# KiCad board StarboardWing.kicad_pcb (continued)
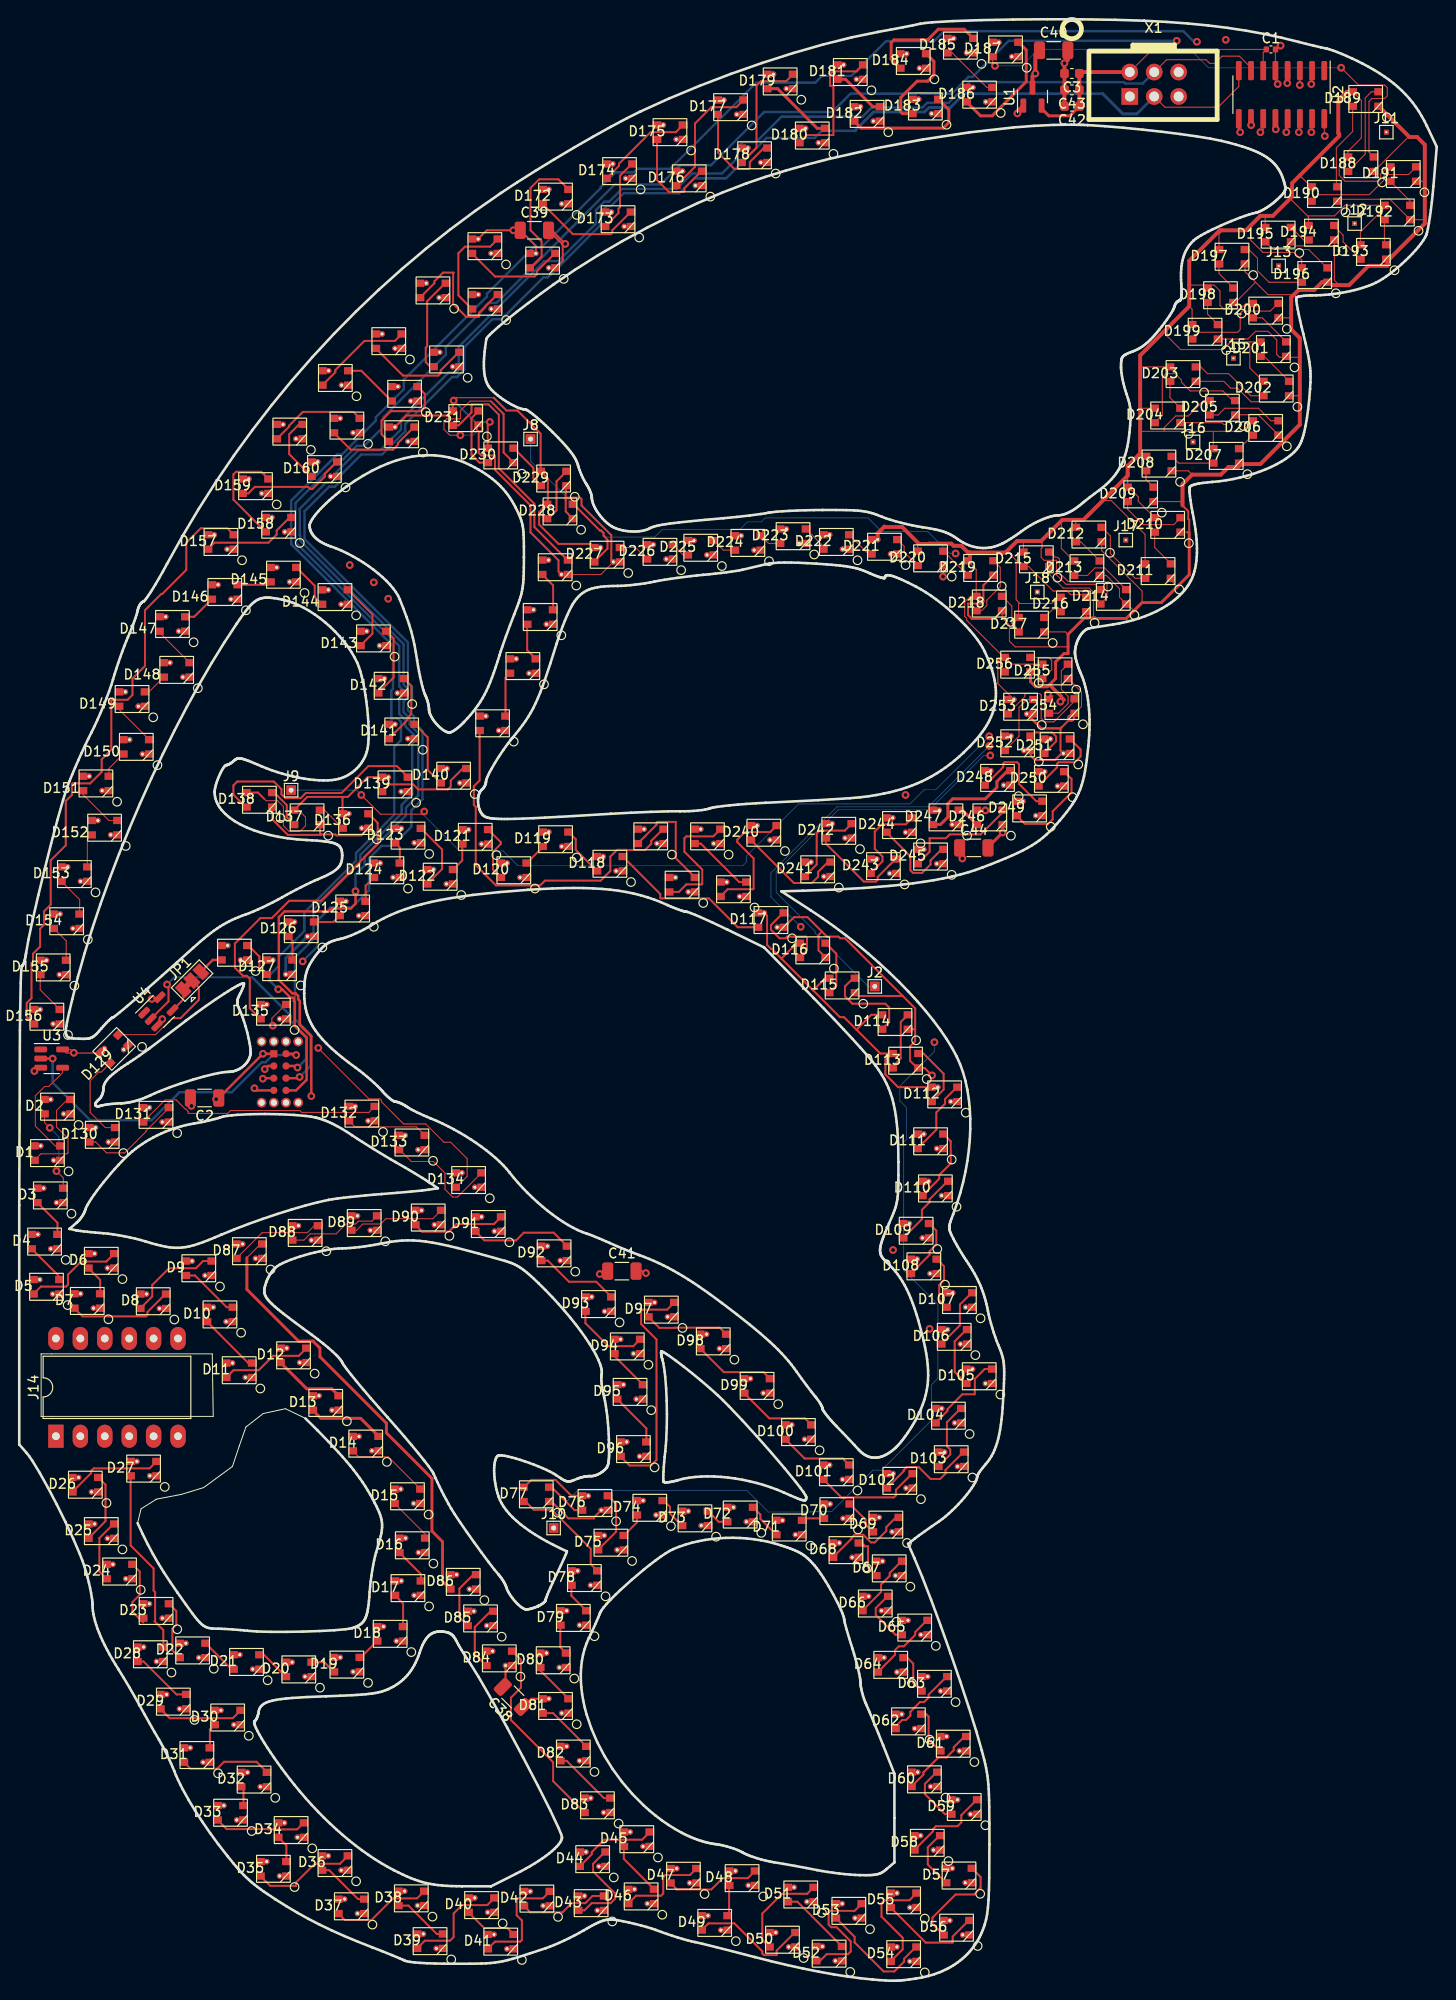
[diagram p0: board, top side]
## Nets
/3V3: C1.1 C3.1 C42.1 C43.1 U1.2 U2.6 X1.1
/5V: C2.1 C38.1 C39.1 C40.1 C41.1 C44.1 D1.3 D2.3 D3.3 D4.3 D5.3 D6.3 D7.3 D8.3 D9.3 D10.3 D11.3 D12.3 D13.3 D14.3 D15.3 D16.3 D17.3 D18.3 D19.3 D20.3 D21.3 D22.3 D23.3 D24.3 D25.3 D26.3 D27.3 D28.3 D29.3 D30.3 D31.3 D32.3 D33.3 D34.3 D35.3 D36.3 D37.3 D38.3 D39.3 D40.3 D41.3 D42.3 D43.3 D44.3 D45.3 D46.3 D47.3 D48.3 D49.3 D50.3 D51.3 D52.3 D53.3 D54.3 D55.3 D56.3 D57.3 D58.3 D59.3 D60.3 D61.3 D62.3 D63.3 D64.3 D65.3 D66.3 D67.3 D68.3 D69.3 D70.3 D71.3 D72.3 D73.3 D74.3 D75.3 D76.3 D77.3 D78.3 D79.3 D80.3 D81.3 D82.3 D83.3 D84.3 D85.3 D86.3 D87.3 D88.3 D89.3 D90.3 D91.3 D92.3 D93.3 D94.3 D95.3 D96.3 D97.3 D98.3 D99.3 D100.3 D101.3 D102.3 D103.3 D104.3 D105.3 D106.3 D107.3 D108.3 D109.3 D110.3 D111.3 D112.3 D113.3 D114.3 D115.3 D116.3 D117.3 D118.3 D119.3 D120.3 D121.3 D122.3 D123.3 D124.3 D125.3 D126.3 D127.3 D128.3 D129.3 D130.3 D131.3 D132.3 D133.3 D134.3 D135.3 D136.3 D137.3 D138.3 D139.3 D140.3 D141.3 D142.3 D143.3 D144.3 D145.3 D146.3 D147.3 D148.3 D149.3 D150.3 D151.3 D152.3 D153.3 D154.3 D155.3 D156.3 D157.3 D158.3 D159.3 D160.3 D161.3 D162.3 D163.3 D164.3 D165.3 D166.3 D167.3 D168.3 D169.3 D170.3 D171.3 D172.3 D173.3 D174.3 D175.3 D176.3 D177.3 D178.3 D179.3 D180.3 D181.3 D182.3 D183.3 D184.3 D185.3 D186.3 D187.3 D188.3 D189.3 D190.3 D191.3 D192.3 D193.3 D194.3 D195.3 D196.3 D197.3 D198.3 D199.3 D200.3 D201.3 D202.3 D203.3 D204.3 D205.3 D206.3 D207.3 D208.3 D209.3 D210.3 D211.3 D212.3 D213.3 D214.3 D215.3 D216.3 D217.3 D218.3 D219.3 D220.3 D221.3 D222.3 D223.3 D224.3 D225.3 D226.3 D227.3 D228.3 D229.3 D230.3 D231.3 D232.3 D233.3 D234.3 D235.3 D236.3 D237.3 D238.3 D239.3 D240.3 D241.3 D242.3 D243.3 D244.3 D245.3 D246.3 D247.3 D248.3 D249.3 D250.3 D251.3 D252.3 D253.3 D254.3 D255.3 D256.3 J1.1 U1.3 U3.5 U4.5
/GND: C1.2 C2.2 C3.2 C38.2 C39.2 C40.2 C41.2 C42.2 C43.2 C44.2 D1.1 D2.1 D3.1 D4.1 D5.1 D6.1 D7.1 D8.1 D9.1 D10.1 D11.1 D12.1 D13.1 D14.1 D15.1 D16.1 D17.1 D18.1 D19.1 D20.1 D21.1 D22.1 D23.1 D24.1 D25.1 D26.1 D27.1 D28.1 D29.1 D30.1 D31.1 D32.1 D33.1 D34.1 D35.1 D36.1 D37.1 D38.1 D39.1 D40.1 D41.1 D42.1 D43.1 D44.1 D45.1 D46.1 D47.1 D48.1 D49.1 D50.1 D51.1 D52.1 D53.1 D54.1 D55.1 D56.1 D57.1 D58.1 D59.1 D60.1 D61.1 D62.1 D63.1 D64.1 D65.1 D66.1 D67.1 D68.1 D69.1 D70.1 D71.1 D72.1 D73.1 D74.1 D75.1 D76.1 D77.1 D78.1 D79.1 D80.1 D81.1 D82.1 D83.1 D84.1 D85.1 D86.1 D87.1 D88.1 D89.1 D90.1 D91.1 D92.1 D93.1 D94.1 D95.1 D96.1 D97.1 D98.1 D99.1 D100.1 D101.1 D102.1 D103.1 D104.1 D105.1 D106.1 D107.1 D108.1 D109.1 D110.1 D111.1 D112.1 D113.1 D114.1 D115.1 D116.1 D117.1 D118.1 D119.1 D120.1 D121.1 D122.1 D123.1 D124.1 D125.1 D126.1 D127.1 D128.1 D129.1 D130.1 D131.1 D132.1 D133.1 D134.1 D135.1 D136.1 D137.1 D138.1 D139.1 D140.1 D141.1 D142.1 D143.1 D144.1 D145.1 D146.1 D147.1 D148.1 D149.1 D150.1 D151.1 D152.1 D153.1 D154.1 D155.1 D156.1 D157.1 D158.1 D159.1 D160.1 D161.1 D162.1 D163.1 D164.1 D165.1 D166.1 D167.1 D168.1 D169.1 D170.1 D171.1 D172.1 D173.1 D174.1 D175.1 D176.1 D177.1 D178.1 D179.1 D180.1 D181.1 D182.1 D183.1 D184.1 D185.1 D186.1 D187.1 D188.1 D189.1 D190.1 D191.1 D192.1 D193.1 D194.1 D195.1 D196.1 D197.1 D198.1 D199.1 D200.1 D201.1 D202.1 D203.1 D204.1 D205.1 D206.1 D207.1 D208.1 D209.1 D210.1 D211.1 D212.1 D213.1 D214.1 D215.1 D216.1 D217.1 D218.1 D219.1 D220.1 D221.1 D222.1 D223.1 D224.1 D225.1 D226.1 D227.1 D228.1 D229.1 D230.1 D231.1 D232.1 D233.1 D234.1 D235.1 D236.1 D237.1 D238.1 D239.1 D240.1 D241.1 D242.1 D243.1 D244.1 D245.1 D246.1 D247.1 D248.1 D249.1 D250.1 D251.1 D252.1 D253.1 D254.1 D255.1 D256.1 J1.3 U1.1 U2.5 U3.3 U4.3 X1.2
/SCL: J1.5 U2.8 X1.4
/SDA: J1.7 U2.7 X1.3
/STBD_GP0: J1.6 X1.5
/STBD_GP1: J1.8 X1.6
/STBD_LED_1: J1.2 U3.2
/STBD_LED_1_OUT: D128.4 JP1.3
/STBD_LED_2: J1.4 U4.2
Net-(D1-DIN): D1.2 U3.4
Net-(D1-DOUT): D1.4 D2.2
Net-(D2-DOUT): D2.4 D3.2
Net-(D3-DOUT): D3.4 D4.2
Net-(D4-DOUT): D4.4 D5.2
Net-(D5-DOUT): D5.4 D6.2
Net-(D6-DOUT): D6.4 D7.2
Net-(D7-DOUT): D7.4 D8.2
Net-(D8-DOUT): D8.4 D9.2
Net-(D10-DIN): D9.4 D10.2
Net-(D10-DOUT): D10.4 D11.2
Net-(D11-DOUT): D11.4 D12.2
Net-(D12-DOUT): D12.4 D13.2
Net-(D13-DOUT): D13.4 D14.2
Net-(D14-DOUT): D14.4 D15.2
Net-(D15-DOUT): D15.4 D16.2
Net-(D16-DOUT): D16.4 D17.2
Net-(D17-DOUT): D17.4 D18.2
Net-(D18-DOUT): D18.4 D19.2
Net-(D19-DOUT): D19.4 D20.2
Net-(D20-DOUT): D20.4 D21.2
Net-(D21-DOUT): D21.4 D22.2
Net-(D22-DOUT): D22.4 D23.2
Net-(D23-DOUT): D23.4 D24.2
Net-(D24-DOUT): D24.4 D25.2
Net-(D25-DOUT): D25.4 D26.2
Net-(D26-DOUT): D26.4 D27.2
Net-(D27-DOUT): D27.4 D28.2
Net-(D28-DOUT): D28.4 D29.2
Net-(D29-DOUT): D29.4 D30.2
Net-(D30-DOUT): D30.4 D31.2
Net-(D31-DOUT): D31.4 D32.2
Net-(D32-DOUT): D32.4 D33.2
Net-(D33-DOUT): D33.4 D34.2
Net-(D34-DOUT): D34.4 D35.2
Net-(D35-DOUT): D35.4 D36.2
Net-(D36-DOUT): D36.4 D37.2
Net-(D37-DOUT): D37.4 D38.2
Net-(D38-DOUT): D38.4 D39.2
Net-(D39-DOUT): D39.4 D40.2
Net-(D40-DOUT): D40.4 D41.2
Net-(D41-DOUT): D41.4 D42.2
Net-(D42-DOUT): D42.4 D43.2
Net-(D43-DOUT): D43.4 D44.2
Net-(D44-DOUT): D44.4 D45.2
Net-(D45-DOUT): D45.4 D46.2
Net-(D46-DOUT): D46.4 D47.2
Net-(D47-DOUT): D47.4 D48.2
Net-(D48-DOUT): D48.4 D49.2
Net-(D49-DOUT): D49.4 D50.2
Net-(D50-DOUT): D50.4 D51.2
Net-(D51-DOUT): D51.4 D52.2
Net-(D52-DOUT): D52.4 D53.2
Net-(D53-DOUT): D53.4 D54.2
Net-(D54-DOUT): D54.4 D55.2
Net-(D55-DOUT): D55.4 D56.2
Net-(D56-DOUT): D56.4 D57.2
Net-(D57-DOUT): D57.4 D58.2
Net-(D58-DOUT): D58.4 D59.2
Net-(D59-DOUT): D59.4 D60.2
Net-(D60-DOUT): D60.4 D61.2
Net-(D61-DOUT): D61.4 D62.2
Net-(D62-DOUT): D62.4 D63.2
Net-(D63-DOUT): D63.4 D64.2
Net-(D64-DOUT): D64.4 D65.2
Net-(D65-DOUT): D65.4 D66.2
Net-(D66-DOUT): D66.4 D67.2
Net-(D67-DOUT): D67.4 D68.2
Net-(D68-DOUT): D68.4 D69.2
Net-(D69-DOUT): D69.4 D70.2
Net-(D70-DOUT): D70.4 D71.2
Net-(D71-DOUT): D71.4 D72.2
Net-(D72-DOUT): D72.4 D73.2
Net-(D73-DOUT): D73.4 D74.2
Net-(D74-DOUT): D74.4 D75.2
Net-(D75-DOUT): D75.4 D76.2
Net-(D76-DOUT): D76.4 D77.2
Net-(D77-DOUT): D77.4 D78.2
Net-(D78-DOUT): D78.4 D79.2
Net-(D79-DOUT): D79.4 D80.2
Net-(D80-DOUT): D80.4 D81.2
Net-(D81-DOUT): D81.4 D82.2
Net-(D82-DOUT): D82.4 D83.2
Net-(D83-DOUT): D83.4 D84.2
Net-(D84-DOUT): D84.4 D85.2
Net-(D85-DOUT): D85.4 D86.2
Net-(D86-DOUT): D86.4 D87.2
Net-(D87-DOUT): D87.4 D88.2
Net-(D88-DOUT): D88.4 D89.2
Net-(D89-DOUT): D89.4 D90.2
Net-(D90-DOUT): D90.4 D91.2
Net-(D91-DOUT): D91.4 D92.2
Net-(D92-DOUT): D92.4 D93.2
Net-(D93-DOUT): D93.4 D94.2
Net-(D94-DOUT): D94.4 D95.2
Net-(D95-DOUT): D95.4 D96.2
Net-(D96-DOUT): D96.4 D97.2
Net-(D97-DOUT): D97.4 D98.2
Net-(D98-DOUT): D98.4 D99.2
Net-(D100-DIN): D99.4 D100.2
Net-(D100-DOUT): D100.4 D101.2
Net-(D101-DOUT): D101.4 D102.2
Net-(D102-DOUT): D102.4 D103.2
Net-(D103-DOUT): D103.4 D104.2
Net-(D104-DOUT): D104.4 D105.2
Net-(D105-DOUT): D105.4 D106.2
Net-(D106-DOUT): D106.4 D107.2
Net-(D107-DOUT): D107.4 D108.2
Net-(D108-DOUT): D108.4 D109.2
Net-(D109-DOUT): D109.4 D110.2
Net-(D110-DOUT): D110.4 D111.2
Net-(D111-DOUT): D111.4 D112.2
Net-(D112-DOUT): D112.4 D113.2
Net-(D113-DOUT): D113.4 D114.2
Net-(D114-DOUT): D114.4 D115.2
Net-(D115-DOUT): D115.4 D116.2
Net-(D116-DOUT): D116.4 D117.2
Net-(D117-DOUT): D117.4 D118.2
Net-(D118-DOUT): D118.4 D119.2
Net-(D119-DOUT): D119.4 D120.2
Net-(D120-DOUT): D120.4 D121.2
Net-(D121-DOUT): D121.4 D122.2
Net-(D122-DOUT): D122.4 D123.2
Net-(D123-DOUT): D123.4 D124.2
Net-(D124-DOUT): D124.4 D125.2
Net-(D125-DOUT): D125.4 D126.2
Net-(D126-DOUT): D126.4 D127.2
Net-(D127-DOUT): D127.4 D128.2
Net-(D129-DOUT): D129.4 D130.2
Net-(D130-DOUT): D130.4 D131.2
Net-(D131-DOUT): D131.4 D132.2
Net-(D132-DOUT): D132.4 D133.2
Net-(D133-DOUT): D133.4 D134.2
Net-(D134-DOUT): D134.4 D135.2
Net-(D135-DOUT): D135.4 D136.2
Net-(D136-DOUT): D136.4 D137.2
Net-(D137-DOUT): D137.4 D138.2
Net-(D138-DOUT): D138.4 D139.2
Net-(D139-DOUT): D139.4 D140.2
Net-(D140-DOUT): D140.4 D141.2
Net-(D141-DOUT): D141.4 D142.2
Net-(D142-DOUT): D142.4 D143.2
Net-(D143-DOUT): D143.4 D144.2
Net-(D144-DOUT): D144.4 D145.2
Net-(D145-DOUT): D145.4 D146.2
Net-(D146-DOUT): D146.4 D147.2
Net-(D147-DOUT): D147.4 D148.2
Net-(D148-DOUT): D148.4 D149.2
Net-(D149-DOUT): D149.4 D150.2
Net-(D150-DOUT): D150.4 D151.2
Net-(D151-DOUT): D151.4 D152.2
Net-(D152-DOUT): D152.4 D153.2
Net-(D153-DOUT): D153.4 D154.2
Net-(D154-DOUT): D154.4 D155.2
Net-(D155-DOUT): D155.4 D156.2
Net-(D156-DOUT): D156.4 D157.2
Net-(D157-DOUT): D157.4 D158.2
Net-(D158-DOUT): D158.4 D159.2
Net-(D159-DOUT): D159.4 D160.2
Net-(D160-DOUT): D160.4 D161.2
Net-(D161-DOUT): D161.4 D162.2
Net-(D162-DOUT): D162.4 D163.2
Net-(D163-DOUT): D163.4 D164.2
Net-(D164-DOUT): D164.4 D165.2
Net-(D165-DOUT): D165.4 D166.2
Net-(D166-DOUT): D166.4 D167.2
Net-(D167-DOUT): D167.4 D168.2
Net-(D168-DOUT): D168.4 D169.2
Net-(D169-DOUT): D169.4 D170.2
Net-(D170-DOUT): D170.4 D171.2
Net-(D171-DOUT): D171.4 D172.2
Net-(D172-DOUT): D172.4 D173.2
Net-(D173-DOUT): D173.4 D174.2
Net-(D174-DOUT): D174.4 D175.2
Net-(D175-DOUT): D175.4 D176.2
Net-(D176-DOUT): D176.4 D177.2
Net-(D177-DOUT): D177.4 D178.2
Net-(D178-DOUT): D178.4 D179.2
Net-(D179-DOUT): D179.4 D180.2
Net-(D180-DOUT): D180.4 D181.2
Net-(D181-DOUT): D181.4 D182.2
Net-(D182-DOUT): D182.4 D183.2
Net-(D183-DOUT): D183.4 D184.2
Net-(D184-DOUT): D184.4 D185.2
Net-(D185-DOUT): D185.4 D186.2
Net-(D186-DOUT): D186.4 D187.2
Net-(D187-DOUT): D187.4 D188.2
Net-(D188-DOUT): D188.4 D189.2
Net-(D189-DOUT): D189.4 D190.2
Net-(D190-DOUT): D190.4 D191.2
Net-(D191-DOUT): D191.4 D192.2
Net-(D192-DOUT): D192.4 D193.2
Net-(D193-DOUT): D193.4 D194.2
Net-(D194-DOUT): D194.4 D195.2
Net-(D195-DOUT): D195.4 D196.2
Net-(D196-DOUT): D196.4 D197.2
Net-(D197-DOUT): D197.4 D198.2
Net-(D198-DOUT): D198.4 D199.2
Net-(D199-DOUT): D199.4 D200.2
Net-(D200-DOUT): D200.4 D201.2
Net-(D201-DOUT): D201.4 D202.2
Net-(D202-DOUT): D202.4 D203.2
Net-(D203-DOUT): D203.4 D204.2
Net-(D204-DOUT): D204.4 D205.2
Net-(D205-DOUT): D205.4 D206.2
Net-(D206-DOUT): D206.4 D207.2
Net-(D207-DOUT): D207.4 D208.2
Net-(D208-DOUT): D208.4 D209.2
Net-(D209-DOUT): D209.4 D210.2
Net-(D210-DOUT): D210.4 D211.2
Net-(D211-DOUT): D211.4 D212.2
Net-(D212-DOUT): D212.4 D213.2
Net-(D213-DOUT): D213.4 D214.2
Net-(D214-DOUT): D214.4 D215.2
Net-(D215-DOUT): D215.4 D216.2
Net-(D216-DOUT): D216.4 D217.2
Net-(D217-DOUT): D217.4 D218.2
Net-(D218-DOUT): D218.4 D219.2
Net-(D219-DOUT): D219.4 D220.2
Net-(D220-DOUT): D220.4 D221.2
Net-(D221-DOUT): D221.4 D222.2
Net-(D222-DOUT): D222.4 D223.2
Net-(D223-DOUT): D223.4 D224.2
Net-(D224-DOUT): D224.4 D225.2
Net-(D225-DOUT): D225.4 D226.2
Net-(D226-DOUT): D226.4 D227.2
Net-(D227-DOUT): D227.4 D228.2
Net-(D228-DOUT): D228.4 D229.2
Net-(D229-DOUT): D229.4 D230.2
Net-(D230-DOUT): D230.4 D231.2
Net-(D231-DOUT): D231.4 D232.2
Net-(D232-DOUT): D232.4 D233.2
Net-(D233-DOUT): D233.4 D234.2
Net-(D234-DOUT): D234.4 D235.2
Net-(D235-DOUT): D235.4 D236.2
Net-(D236-DOUT): D236.4 D237.2
Net-(D237-DOUT): D237.4 D238.2
Net-(D238-DOUT): D238.4 D239.2
Net-(D239-DOUT): D239.4 D240.2
Net-(D240-DOUT): D240.4 D241.2
Net-(D241-DOUT): D241.4 D242.2
Net-(D242-DOUT): D242.4 D243.2
Net-(D243-DOUT): D243.4 D244.2
Net-(D244-DOUT): D244.4 D245.2
Net-(D245-DOUT): D245.4 D246.2
Net-(D246-DOUT): D246.4 D247.2
Net-(D247-DOUT): D247.4 D248.2
Net-(D248-DOUT): D248.4 D249.2
Net-(D249-DOUT): D249.4 D250.2
Net-(D250-DOUT): D250.4 D251.2
Net-(D251-DOUT): D251.4 D252.2
Net-(D252-DOUT): D252.4 D253.2
Net-(D253-DOUT): D253.4 D254.2
Net-(D254-DOUT): D254.4 D255.2
Net-(D255-DOUT): D255.4 D256.2
Net-(JP1-C): D129.2 JP1.2
Net-(U2-CH0): J8.1 U2.9
Net-(U2-CH1): J9.1 U2.10
Net-(U2-CH2): J10.1 U2.11
Net-(U2-CH3): J2.1 U2.12
Net-(U2-CH4): J18.1 U2.13
Net-(U2-CH5): J17.1 U2.14
Net-(U2-CH6): J16.1 U2.15
Net-(U2-CH7): J15.1 U2.16
Net-(U2-CH9): J11.1 U2.2
Net-(U2-CH10): J12.1 U2.3
Net-(U2-CH11): J13.1 U2.4
Net-(U4-Y): JP1.1 U4.4

Pads without a net: D256 4; J14 1 2 3 4 5 6 7 8 9 10 11 12; U2 1; U3 1; U4 1

## Via types
v1: diameter 0.8, hole 0.4, Top to Bottom, 74 vias

## Routing (per net, layer and track width the routed paths; a pad name or vN(x,y) marks a point on that pad's centre or on a via; arc(x,y) is an arc through that point)
/3V3: length 31.2
  Top w0.1: X1.1 117.84,200.77 C1.1 129.37,200.44 U2.6
  Top w0.3: C42.1 109.25,193.87 107.07,193.87 106.32,194.62 U1.2
  Top w0.4: X1.1 110.4,198.42 C3.1 C42.1
/5V: length 412.5
  Top w0.1: 106.27,149.67 106.37,149.57 106.37,148.97 106.27,148.87 106.27,147.97 106.57,147.67 107.87,147.67 107.87,146.15 108.86,145.16 109.1,145.16 111.88,145.16 D214.3 ; D220.3 93.42,149.22 93.57,149.37 ; D256.3 102.4,137.57 98.53,141.44 98.53,141.62 98.32,141.82 98.32,143.31 98.93,143.92 D218.3 99.52,146.72 D219.3 ; D256.3 102.17,137.57 101.77,137.17 101.77,134.85 D253.3 ; D256.3 103.17,136.87 D255.3 ; D207.3 124.17,161.07 ; 124.17,161.07 119.07,161.07 ; 124.17,161.07 127.17,161.07 D206.3 ; 121.67,176.27 124.27,176.27 124.87,175.67 124.87,174.17 125.27,173.77 126.97,173.77 127.57,174.37 D200.3 ; D212.3 109.88,151.76 109.77,151.87 ; 108.37,151.77 108.37,148.9 D213.3 ; 112.67,153.87 113.57,153.87 117.08,150.36 D211.3 ; D215.3 104.42,149.62 104.47,149.67 ; D210.3 116.37,153.8 116.37,154.27 115.37,155.27 D209.3 115.27,156.47 ; D191.3 142.33,188.57 141.58,187.81 141.58,187.27 141.37,187.07 137.88,187.07 137.27,187.67 137.27,188.68 D188.3 138.18,190.17 139.57,191.57 139.57,195.47 D189.3 ; D254.3 107.07,133.67 v1(106.97,133.77) ; 119.07,161.07 119.07,161.47 120.27,162.67 121.57,162.67 123.17,164.27 D205.3 ; 119.07,161.07 116.57,161.07 ; 127.97,170.37 125.97,170.37 125.17,169.57 120.77,169.57 119.37,170.97 119.37,171.77 ; 127.97,170.37 D201.3 ; 127.97,170.37 127.97,167.67 D202.3 ; D199.3 121.97,173.77 121.67,174.07 ; 102.72,148.62 103.67,147.67 103.67,143.57 104.02,143.22 ; 49.34,164.56 45.47,164.56 ; D193.3 139.47,181.79 141.97,184.29 D192.3 137.87,184.57 136.77,183.47 133.97,183.47 ; v1(13.77,102.07) 13.95,102.24 U4.5 ; D137.3 29.05,121.69 29.77,120.97 29.77,120.07 29.17,119.47 28.07,119.47 27.47,120.07 27.47,122.07 26.87,122.67 25.67,122.67 25.47,122.87 ; 104.02,143.22 103.92,143.12 D217.3 ; 104.02,143.22 104.07,143.17 107.36,143.17 108.28,144.09 ; 116.57,158.77 116.87,158.47 D208.3 ; 128.07,182.47 128.07,180.94 129.35,179.67 132.57,179.67 133.37,178.87 D196.3 ; D203.3 116.67,167.77 116.57,167.67 ; 133.97,183.47 134.07,183.37 D194.3 ; 133.97,183.47 132.17,185.27 ; D129.3 4.89,96.44 U3.5 5.32,96.82 v1(5.67,96.47) ; 129.77,183.47 129.57,183.27 D195.3 ; 125.17,181.97 124.77,181.57 D197.3 ; D190.3 134.35,186.49 133.17,187.67 ; D204.3 116.57,163.47
  Top w0.2: 82.56,102.95 85.35,100.17 85.77,100.17 87.07,98.87 ; 82.56,102.95 83.82,104.22 D115.3 ; 82.56,102.95 79.26,106.25 ; D112.3 91.4,92.89 90.07,94.21 90.07,95.78 90.68,96.39 89.55,96.39 87.07,98.87 ; 87.07,98.87 88.62,100.42 D114.3 ; D138.3 24.82,123.52 25.47,122.87 ; D230.3 48.72,161.83 v1(48.94,162.04) ; D137.3 29.96,123.07 33.67,123.07 ; D170.3 48.62,181.97 v1(51.37,181.97) C39.1 53.72,180.34 D171.3 ; D136.3 33.62,123.02 33.67,123.07 ; D81.3 53.22,29.32 C38.1 ; 49.34,164.56 50.67,163.23 51.81,163.23 54.22,160.82 D229.3 54.97,156.17 54.97,153.58 D228.3 54.88,153.47 54.07,152.67 54.07,151.37 56.08,149.37 59.47,149.37 ; D76.3 57.42,50.42 55.78,52.06 53.26,52.06 52.58,51.39 ; D117.3 77.77,110.72 77.77,107.69 78.22,107.25 78.27,107.25 79.26,106.25 ; D246.3 100.45,121.69 v1(100.47,121.67) ; 33.67,123.07 34.17,123.07 36.22,125.12 D139.3 ; 79.26,106.25 80.87,107.87 D116.3 ; 61.2,73.77 60.67,73.77 v1(60.37,73.47) ; D163.3 40.27,162.71 44.61,162.71 D231.3 45.08,164.17 v1(45.17,164.27) 45.47,164.56
  Top w0.25: J1.1 v1(25.35,96.37) C2.1 20.6,91.77 v1(20.47,91.64)
  Top w0.4: 98.87,148.47 102.57,148.47 103.77,149.67 106.27,149.67 108.47,151.87 110.67,151.87 115.27,156.47 115.27,157.47 116.57,158.77 116.57,168.97 121.67,174.07 121.67,178.79 124.85,181.97 127.57,181.97 129.07,183.47 130.37,183.47 132.37,185.47 132.37,186.87 137.27,191.77 137.27,191.97 137.17,192.07 137.17,195.47 138.07,196.37 D189.3 ; 98.87,148.47 98.67,148.47 98.01,149.13 97.95,149.17 97.17,149.17 96.95,149.39 94.6,149.39 94.57,149.37 93.57,149.37 91.82,151.12 90.02,151.12 89.97,151.17 89.27,150.47 D221.3 ; 98.87,148.47 98.87,147.87 D219.3 ; C40.1 105.67,200.24 v1(105.67,198.27) 105.37,197.97 U1.3
  In2.Cu w0.1: D252.3 103.43,129.69 D253.3
  In2.Cu w0.2: v1(20.47,91.64) 23.1,91.64 24.27,90.47 34.51,90.47 D132.3
  Bottom w0.2: v1(45.17,164.27) 47.4,162.04 v1(48.94,162.04)
  vias: v1(98.07,116.67)
/GND: length 604.6
  Top w0.1: D231.1 47.87,161.6 v1(47.87,161.34) ; v1(109.37,131.27) 109.77,131.67 D254.1 110.47,132.47 110.47,133.97 D255.1 ; D209.1 120.87,153.77 120.97,153.67 ; D203.1 125.27,166.27 125.97,165.57 126.67,165.57 128.1,164.14 131.45,164.14 D202.1 133.07,164.77 133.17,164.87 ; D204.1 125.07,161.97 125.27,161.77 125.47,161.77 D205.1 126.5,162.79 128.85,162.79 D206.1 131.52,160.12 ; 146.17,183.07 D192.1 142.55,185.19 137.28,185.19 D190.1 ; D195.1 132.7,180.34 136.15,180.34 D194.1 136.77,176.77 137.27,176.27 ; D210.1 121.55,150.59 121.67,150.47 ; C2.2 17.8,91.06 v1(17.91,90.95) ; D200.1 132.07,172.87 132.27,172.67 ; v1(45.87,160.67) 44.77,160.67 44.17,161.27 44.17,162.11 44.43,162.37 45.87,162.37 45.87,163.2 46.89,164.21 49.03,164.21 49.07,164.17 ; D213.1 113.05,146.09 114.42,144.72 114.42,143.82 D214.1 115.22,143.12 115.92,142.42 ; 109.07,138.67 103.57,138.67 102.97,139.27 102.97,140.92 102.22,141.67 D218.1 ; v1(1.57,94.57) 1.92,94.92 U3.3 ; 145.37,191.67 144.46,191.67 D188.1 ; 128.57,176.57 126.47,174.47 D198.1 ; 128.57,176.57 129.86,175.27 132.56,175.27 ; 128.57,176.57 127.47,177.67 D197.1 ; D215.1 107.12,146.22 108.57,144.77 111.27,144.77 111.72,144.32 111.72,141.72 111.67,141.67 ; D232.1 60.48,146.19 D227.1 ; 116.77,143.27 116.77,144.47 112.58,148.66 D212.1 ; v1(96.07,145.97) 96.12,146.02 D220.1 ; D211.1 119.78,145.56 120.42,144.92 ; 109.07,139.97 108.82,140.22 D217.1 ; C1.2 130.64,200.75 U2.5 130.64,197.4 v1(130.87,197.17) ; 121.97,156.57 121.57,156.97 D208.1 ; D216.1 110.98,141.76 111.07,141.67 ; D199.1 127.77,170.67 128.57,171.47 129.87,171.47 130.77,170.57 130.77,169.07 131.07,168.77 133.17,168.77 ; D191.1 146.07,187.07 146.17,187.17 ; U4.3 14.34,99.43 v1(14.87,99.97)
  Top w0.2: D138.1 26.32,120.72 27.93,119.12 31.32,119.12 31.37,119.17 ; D84.1 50.57,30.84 C38.2 ; 83.47,109.07 83.12,108.72 83.12,107.12 D116.1 ; 83.47,109.07 84,108.54 85.2,108.54 85.37,108.37 85.88,108.37 91.88,102.37 ; 83.47,109.07 81.97,110.57 80.57,110.57 D117.1 ; 56.83,153.91 56.83,154.16 56.83,154.17 58.33,154.17 58.47,154.02 58.47,153.37 61.57,150.27 61.57,147.7 D227.1 ; 56.83,153.91 56.83,155.32 D229.1 ; 56.83,153.91 56.83,152.74 D228.1 ; D171.1 56.52,178.82 56.52,180.49 55.05,181.97 55.37,181.97 v1(56.79,180.55) ; D115.1 87.27,102.37 91.88,102.37 ; C41.2 64.97,73.77 v1(65.17,73.57) ; D231.1 47.78,158.83 48.05,158.57 49.4,158.57 49.47,158.49 49.47,157.07 53.17,153.37 53.17,150.57 56.08,147.66 56.08,146.49 D232.1 ; 31.37,119.17 32.87,119.17 32.97,119.07 35.57,119.07 D136.1 ; 31.37,119.17 31.28,119.26 D137.1 ; 93.17,98.87 93.17,101.07 91.88,102.37 ; 93.17,98.87 93.17,97.67 92.63,97.12 92.63,95.64 93.38,94.89 94.15,94.89 v1(94.92,94.12) ; 93.17,98.87 93.12,98.92 D114.1 ; D230.1 50.37,158.87 50.37,162.87 49.07,164.17 ; D252.1 105.18,127.36 105.63,126.91 107.72,126.91 108.4,127.59 D251.1 108.28,127.89 108.28,130.17 v1(109.37,131.27) ; 121.67,150.47 121.67,151.87 121.57,151.97 121.57,152.77 120.97,153.37 ; D76.1 59.77,48.17 59.77,48.07 57.11,48.07 55.28,49.89 ; D219.1 100.27,145.07 100.27,143.37 100.07,143.17 98.67,143.17 98.67,141.97 99.07,141.57 101.37,141.57 D218.1
  Top w0.25: D253.1 106.28,130.19 108.3,130.19 108.42,130.32 ; v1(25.54,94.77) 25.86,95.1 J1.3
  Top w0.3: D246.1 102.27,120.18 v1(102.27,119.37) 100.75,117.84 C44.2 ; 108.57,133.26 107.17,134.67 107.07,134.67 ; 108.57,133.26 v1(108.27,132.97) ; 108.57,133.26 108.67,133.17 108.37,133.47 108.37,133.53 107.24,134.67 107.07,134.67 ; 107.07,134.67 107.77,135.37 107.77,137.09 108.65,137.97 109.07,137.97 109.07,139.97 110.77,141.67 111.87,141.67 111.92,141.62 115.12,141.62 116.77,143.27 118.77,143.27 121.67,146.17 121.67,150.47 121.58,150.56 ; 107.07,134.67 106.92,134.51 105.7,134.51 105.17,135.04 D256.1
  Top w0.4: C40.2 109.05,199.69 v1(108.7,199.34) 108.7,194.87 ; 136.57,176.27 138.3,176.27 140.3,178.27 142.27,178.27 142.27,178.77 146.17,182.67 146.17,190.87 145.37,191.67 144.57,191.67 D189.1 ; v1(103.81,194.12) 103.81,194.31 U1.1 ; D196.1 135.47,176.57 134.67,175.77 133.06,175.77 132.27,174.98 132.27,171.67 133.17,170.77 133.17,161.77 129.07,157.67 127.07,157.67 126.77,157.37 125.77,157.37 124.97,156.57 121.97,156.57 120.97,155.57 120.97,153.37
  In1.Cu w0.1: 101.77,146.87 100.87,145.97 v1(96.07,145.97)
  In1.Cu w0.25: D132.1 36.28,90.42 33.64,93.07 30.17,93.07 ; 30.17,93.07 27.77,93.07 26.07,94.77 v1(25.54,94.77) 24.77,94.77 24.67,94.67 24.67,94.07 21.07,90.47 19.17,90.47 18.69,90.95 v1(17.91,90.95) ; 30.17,93.07 30.27,93.17 30.27,97.54 27.83,99.99 D135.1
  In2.Cu w0.1: v1(130.87,197.17) 130.87,197.18 131.61,197.92 134.54,197.92 135.02,197.43 135.02,195.39 137.95,192.47 140.97,192.47 141.57,193.07 143.07,193.07 143.17,192.97 143.17,191.57 142.97,191.37 140.87,191.37 140.37,191.87 137.67,191.87 137.47,191.67 137.47,191.32 135.52,189.37 135.52,186.44 138.3,183.67 139.87,183.67 139.87,182.77 139.67,182.57 139.67,181.87 139.47,181.67 138.17,181.67 137.37,182.47 137.37,183.67 135.47,185.57 135.27,185.57 135.22,185.52 135.22,184.3 131.87,180.95 131.87,177.67 131.57,177.37 130.27,177.37 129.77,177.87 129.77,179.77 127.87,179.77 127.77,179.67 126.77,179.67 124.07,176.97 124.07,172.97 127.07,169.97 127.17,169.97 127.17,168.37 127.02,168.22 127.02,167.82 127.07,167.77 125.57,167.77 125.37,167.97 125.37,170.74 123.76,172.35 123.49,172.35 118.34,167.2 118.34,161.93 119.79,160.48 120.99,160.48 121.47,160.97 122.67,160.97 123.07,160.57 123.07,159.27 122.87,159.07 121.57,159.07 120.97,159.67 119.67,159.67 118.37,160.97 118.17,160.97 118.07,160.87 118.07,157.57 118.17,157.47 118.17,157.07 115.37,154.27 115.37,150.97 116.07,150.27 116.07,149.27 115.67,148.87 114.37,148.87 114.27,148.97 114.27,150.47 114.47,150.67 114.77,150.67 114.77,153.87 114.57,153.87 110.38,149.67 106.52,149.67 106.17,149.32 106.17,145.87 107.07,144.97 107.07,143.77 106.67,143.37 105.37,143.37 104.67,144.07 104.67,144.67 105.57,145.57 105.57,148.67 105.1,148.67 104.59,148.16 104.59,146.18 101.87,143.47 101.87,138.87 102.37,138.37 103.37,138.37 103.97,137.77 103.97,137.47 103.07,136.57 103.07,133.77 103.15,133.69 103.27,133.81 103.27,134.27 103.97,133.57 103.97,133.43
  In2.Cu w0.25: D253.1 104.78,132.72 104.03,133.48
  Bottom w0.1: v1(47.87,161.34) 47.2,160.67 v1(45.87,160.67)
  Bottom w0.3: D127.1 27.72,106.32 D126.1
  vias: v1(34.37,147.17) v1(36.87,145.37) v1(38.37,143.67) v1(90.87,75.97) v1(92.17,123.27) v1(94.67,67.77) v1(125.47,201.77) v1(131.17,201.17)
/SCL: length 206.6
  Top w0.1: U2.8 126.83,196.92 124.67,194.76 119.15,194.76 X1.4
  Top w0.25: v1(25.34,93.77) 25.39,93.83 J1.5
  In2.Cu w0.25: v1(29.47,105.97) 29.07,105.57 29.07,103.87 27.57,102.37 27.49,102.37 25.37,100.25 25.37,98.87 25.67,98.57 29.25,98.57 29.84,97.98 29.84,95.7 29.97,95.57 29.97,93.27 29.94,93.23 25.88,93.23 v1(25.34,93.77)
  Bottom w0.25: 86.92,192.3 83.44,192.3 82.71,191.57 77.71,191.57 73.51,187.37 70.19,187.37 68.64,185.82 62.86,185.82 61.53,184.49 61.1,184.49 60.42,183.81 60.42,182.48 56.26,178.32 56.21,178.32 54.96,177.07 54.51,177.07 50.16,172.71 49.19,172.71 46.27,169.79 46.27,167.46 45.53,166.71 45.02,166.71 40.15,161.84 40.15,161.07 37.74,158.67 35.57,158.67 33.46,156.55 33.46,155.94 32.83,155.31 32.22,155.31 29.67,152.77 29.67,149.87 40.42,139.12 40.42,134.92 40.85,134.5 40.85,133.23 40.42,132.81 40.42,132.06 41.05,131.43 41.05,130.79 41.95,129.89 41.95,122.84 40.77,121.67 40.77,119.95 38.79,117.97 37.67,117.97 36.37,116.67 36.37,113.37 34.57,111.57 32.37,111.57 31.05,110.24 31.05,107.54 v1(29.47,105.97)
  Bottom w0.3: 86.92,192.3 86.92,192.33 88.86,194.27 94.14,194.27 94.61,194.74 96.85,194.74 98.27,196.17 112.67,196.17 114.77,194.07 116.22,194.07 X1.4
/SDA: length 210.1
  Top w0.1: U2.7 128.1,198.86 126.89,200.07 125.09,200.07 124.34,199.32 123.81,199.32 123.42,199.7 119.32,199.7 X1.3
  Top w0.25: v1(30.37,91.97) 30.37,98.17 29.17,99.37 29.17,101.87 29.01,102.03 29.01,102.38 28.74,102.64 28.4,102.64 26.97,104.07 27,104.09 27,110.57 27.6,111.17 32.17,111.17 32.47,111.47 34.47,111.47 34.97,111.97 v1(34.97,113.27) ; J1.7 24.69,92.56 v1(24.46,92.78)
  In2.Cu w0.25: v1(30.37,91.97) 29.56,92.78 v1(24.46,92.78)
  Bottom w0.25: X1.3 116.85,197.23 115,197.23 114.86,197.37 100.09,197.37 99.99,197.47 98.9,197.47 96.65,195.21 94.42,195.21 93.94,194.74 88.69,194.74 88.67,194.71 88.63,194.71 87.7,193.78 79.29,193.78 76.65,191.14 75.25,191.14 74.67,190.57 74.67,189.47 73.07,187.87 69.97,187.87 68.37,186.27 62.67,186.27 61.35,184.94 60.85,184.94 59.97,184.07 59.97,182.67 56.07,178.77 54.61,178.77 49.71,173.86 49.71,173.53 49.34,173.16 49.01,173.16 45.71,169.86 45.71,167.53 45.34,167.16 44.64,167.16 39.7,162.23 39.7,161.26 37.56,159.11 35.29,159.11 33.01,156.83 33.01,156.13 32.64,155.76 31.94,155.76 29.17,153 29.17,150.27 29.22,150.21 29.22,149.68 39.97,138.93 39.97,134.74 40.4,134.31 40.4,133.42 39.97,132.99 39.97,131.87 40.6,131.25 40.6,130.61 41.5,129.71 41.5,123.23 40.22,121.95 40.22,121.15 39.49,120.41 39.47,120.41 39.11,120.05 39.11,120.03 35.92,116.85 35.92,115.95 34.97,115 v1(34.97,113.27)
/STBD_GP0: length 188.9
  Top w0.25: v1(29.16,93.95) 29.03,93.83 J1.6
  In1.Cu w0.25: v1(120.37,201.67) 120.57,201.47 X1.5
  Bottom w0.25: v1(120.37,201.67) 102.91,201.67 99.16,197.91 98.72,197.91 96.97,196.17 93.84,196.17 93.79,196.21 93.27,196.21 93.23,196.17 86.46,196.17 84.56,194.27 77.47,194.27 71.95,188.74 68.72,188.74 66.69,186.71 61.92,186.71 49.62,174.41 48.82,174.41 48.46,174.05 48.46,173.91 44.36,169.81 44.36,169.03 37.87,162.55 37.87,161.54 35.9,159.56 35.1,159.56 33.7,158.17 33.28,158.17 28.72,153.61 28.72,150.08 28.78,150.03 28.78,149.49 39.52,138.74 39.52,134.55 39.95,134.12 39.95,133.61 39.52,133.18 39.52,131.69 40.15,131.06 40.15,130.42 41.05,129.52 41.05,128.86 40.88,128.68 40.88,123.34 39.78,122.24 39.78,121.34 39.3,120.86 39.29,120.86 38.66,120.23 38.66,120.22 35.48,117.04 35.48,116.23 30.6,111.35 30.6,108.31 28.67,106.38 28.67,99.97 30.29,98.35 30.29,95.08 v1(29.16,93.95)
/STBD_GP1: length 198.3
  Top w0.25: J1.8 28.79,92.56 29.89,93.65 29.89,98.02 28.64,99.26 28.64,101.76 28.56,101.85 28.56,102.19 28.21,102.19 27.34,103.07 v1(26.94,103.07)
  In1.Cu w0.25: v1(122.47,201.57) 122.47,197.78 X1.6
  Bottom w0.25: v1(122.47,201.57) 122.17,201.57 121.07,202.67 96.17,202.67 95.12,201.61 90.14,201.61 86.54,198.01 83.49,198.01 82.79,197.31 76.65,197.31 67.7,188.36 64.3,188.36 63.93,187.99 62,187.99 60.47,186.47 60.47,186.37 54.3,180.19 53.47,180.19 48.64,175.36 48.64,175.08 40,166.44 40,165.46 37.09,162.55 37.09,162.19 33.57,158.67 33.07,158.67 28.28,153.87 28.28,149.39 28.33,149.34 28.33,149.31 38.87,138.76 38.87,134.3 38.7,134.12 38.7,131.12 38.82,131.24 39.33,131.24 39.7,130.87 39.7,128.96 39,128.26 39,121.21 38.21,120.42 38.21,120.41 35.03,117.22 35.03,116.42 29.65,111.04 29.65,109.13 27,106.47 27,105.49 26.05,104.54 26.05,103.96 v1(26.94,103.07)
/STBD_LED_1: length 34.6
  Top w0.25: v1(3.47,95.87) U3.2 ; J1.2 28.66,96.37 v1(28.8,96.23)
  Bottom w0.25: v1(28.8,96.23) 26.36,96.23 25.62,95.49 25.24,95.49 22.11,92.37 16.67,92.37 13.77,89.47 7.37,89.47 3.47,93.37 v1(3.47,95.87)
/STBD_LED_1_OUT: length 2.6
  Top w0.25: JP1.3 20.12,106.12 D128.4
/STBD_LED_2: length 26.9
  Top w0.2: U4.2 15.53,101.82 15.53,103.41 v1(15.37,103.57)
  Top w0.25: J1.4 28.78,95.1 v1(28.94,94.93)
  Bottom w0.2: 24.22,104.32 16.12,104.32 v1(15.37,103.57)
  Bottom w0.25: v1(28.94,94.93) 29.84,95.83 29.84,98.16 28.22,99.78 28.22,100.31 24.22,104.32
Net-(D1-DIN): length 11
  Top w0.1: U3.4 4.51,94.4 3.07,92.97 2.65,92.97 1.67,91.99 1.67,88.85 3.73,86.79 D1.2
Net-(D1-DOUT): length 10.6
  Top w0.1: D2.2 5.02,91.62 3.87,90.47 3.87,88.77 5.07,87.57 5.07,86.07 4.97,85.97 2.26,85.97 D1.4
Net-(D2-DOUT): length 8.8
  Top w0.1: v1(3.87,84.17) 4.58,83.46 D3.2 ; v1(3.17,88.67) 2.62,89.22 D2.4
  Bottom w0.1: v1(3.87,84.17) 4.13,84.42 4.13,87.71 v1(3.17,88.67)
Net-(D3-DOUT): length 4.2
  Top w0.2: D3.4 3.98,78.79 D4.2
Net-(D4-DOUT): length 4.4
  Top w0.2: D4.4 4.18,73.19 D5.2
Net-(D5-DOUT): length 10.8
  Top w0.2: D5.4 2.26,72.17 4.88,72.17 5.07,72.36 5.07,73.41 6.43,74.77 9.06,74.77 D6.2
Net-(D6-DOUT): length 3.2
  Top w0.2: D7.2 8.42,72.85 D6.4
Net-(D7-DOUT): length 11
  Top w0.2: D8.2 15.21,71.39 13.33,69.51 13.33,69.21 13.18,69.07 6.57,69.07 D7.4
Net-(D8-DOUT): length 10.2
  Top w0.2: D9.2 19.12,74.82 18.37,74.07 15.57,74.07 13.83,72.32 13.83,71.14 D8.4
Net-(D10-DIN): length 6.3
  Top w0.2: D9.4 18.27,73.32 21.57,70.02 D10.2
Net-(D10-DOUT): length 6.5
  Top w0.2: D11.2 23.82,64.22 D10.4
Net-(D11-DOUT): length 9.6
  Top w0.2: D12.2 29.07,64.97 26.4,64.97 24.9,63.47 22.27,63.47 D11.4
Net-(D12-DOUT): length 7.5
  Top w0.3: D12.4 29.9,61.54 32.5,61.54 D13.2
Net-(D13-DOUT): length 8
  Top w0.3: D13.4 31.37,58.47 35.51,58.47 D14.2
Net-(D14-DOUT): length 8.7
  Top w0.1: D15.2 38.38,54.46 35.31,54.46 D14.4
Net-(D15-DOUT): length 4.9
  Top w0.1: D15.4 42.22,46.42 D16.2
Net-(D16-DOUT): length 3.9
  Top w0.2: D16.4 41.77,42.27 D17.2
Net-(D17-DOUT): length 3.6
  Top w0.2: D17.4 39.92,39.22 D18.2
Net-(D18-DOUT): length 2.5
  Top w0.2: D19.2 35.52,33.62 D18.4
Net-(D19-DOUT): length 2.7
  Top w0.2: D19.4 31.72,33.12 D20.2
Net-(D20-DOUT): length 3.7
  Top w0.2: D21.2 25.45,33.89 D20.4
Net-(D21-DOUT): length 4
  Top w0.2: D22.2 22.08,32.39 D21.4
Net-(D22-DOUT): length 6.4
  Top w0.2: D23.2 16.33,38.44 16.33,37.01 15.93,36.61 15.93,34.34 D22.4
Net-(D23-DOUT): length 7.5
  Top w0.2: D23.4 12.88,37.27 12.87,37.27 11.77,38.37 11.77,39.37 12.53,40.12 12.53,42.54 D24.2
Net-(D24-DOUT): length 6.7
  Top w0.2: D24.4 8.33,42.54 8.33,46.01 9.81,47.49 D25.2
Net-(D25-DOUT): length 7.4
  Top w0.2: D26.2 8.97,51.57 8.97,47.78 D25.4
Net-(D26-DOUT): length 10.2
  Top w0.2: D26.4 7.47,52.77 7.47,52.99 7.75,53.27 13.56,53.27 D27.2
Net-(D27-DOUT): length 19.3
  Top w0.2: D28.2 14.98,36.46 14.07,37.37 14.13,37.42 14.13,40.41 13.97,40.57 13.97,42.87 11.58,45.26 D27.4
Net-(D28-DOUT): length 6.5
  Top w0.2: D28.4 12.93,33.19 16.36,29.77 D29.2
Net-(D29-DOUT): length 9.1
  Top w0.2: D29.4 15.65,27.29 22.2,27.29 D30.2
Net-(D30-DOUT): length 2.6
  Top w0.2: D31.2 19.82,26.12 D30.4
Net-(D31-DOUT): length 9.7
  Top w0.2: D32.2 24.67,22.77 21.3,22.77 20.57,22.04 17.8,22.04 D31.4
Net-(D32-DOUT): length 2.1
  Top w0.2: D32.4 23.32,19.92 D33.2
Net-(D33-DOUT): length 9.7
  Top w0.2: D34.2 29.58,16.42 28.9,15.74 25.9,15.74 25.87,15.77 21.57,15.77 D33.4
Net-(D34-DOUT): length 2.9
  Top w0.2: D34.4 27.78,14.06 D35.2
Net-(D35-DOUT): length 11
  Top w0.2: D35.4 26.11,9.87 28.77,9.87 28.77,10.21 30.73,12.17 33.36,12.17 D36.2
Net-(D36-DOUT): length 5.6
  Top w0.2: D37.2 35.23,8.49 32.23,11.49 D36.4
Net-(D37-DOUT): length 10.5
  Top w0.2: D38.2 41.37,8.57 38.88,8.57 36.63,6.31 33.86,6.31 D37.4
Net-(D38-DOUT): length 5.9
  Top w0.2: D39.2 43.42,4.87 40.47,7.82 D38.4
Net-(D39-DOUT): length 11.7
  Top w0.2: D39.4 42.17,4.17 44.8,4.17 45.17,4.54 45.17,6.99 46.05,7.87 48.67,7.87 D40.2
Net-(D40-DOUT): length 5.7
  Top w0.2: D41.2 50.75,5.49 48.35,5.49 D40.4
Net-(D41-DOUT): length 12.2
  Top w0.2: D41.4 49.47,4.07 52.1,4.07 52.27,4.24 52.27,6.27 51.73,6.81 51.73,8.46 51.83,8.57 54.46,8.57 D42.2
Net-(D42-DOUT): length 9.3
  Top w0.2: D42.4 53.16,7.11 56.5,7.11 57.45,8.07 58.87,8.07 59.62,8.82 D43.2
Net-(D43-DOUT): length 10.7
  Top w0.2: D43.4 58.77,7.32 59.52,8.07 61.5,8.07 61.97,8.54 61.97,9.07 59.68,11.36 59.68,12.16 60.91,13.39 D44.2
Net-(D44-DOUT): length 8.9
  Top w0.2: D45.2 64.77,14.67 60.83,14.67 59.53,13.36 59.53,13.14 D44.4
Net-(D45-DOUT): length 5.8
  Top w0.2: D46.2 62.87,12.67 D45.4
Net-(D46-DOUT): length 9.6
  Top w0.2: D47.2 69.75,10.99 67.2,10.99 66.97,10.77 66.97,9.07 66.75,8.84 64.15,8.84 D46.4
Net-(D47-DOUT): length 9.9
  Top w0.2: D47.4 68.4,9.49 71.97,9.49 73.15,10.67 75.77,10.67 D48.2
Net-(D48-DOUT): length 3.2
  Top w0.2: D49.2 73.82,6.92 D48.4
Net-(D49-DOUT): length 12.8
  Top w0.2: D50.2 80.65,5.02 78.77,3.14 78.77,2.67 77.45,2.67 77.27,2.84 77.27,3.07 74.37,5.97 71.67,5.97 D49.4
